# Altium PCB BoardB.PcbDoc (part 1 of 2) (continued)
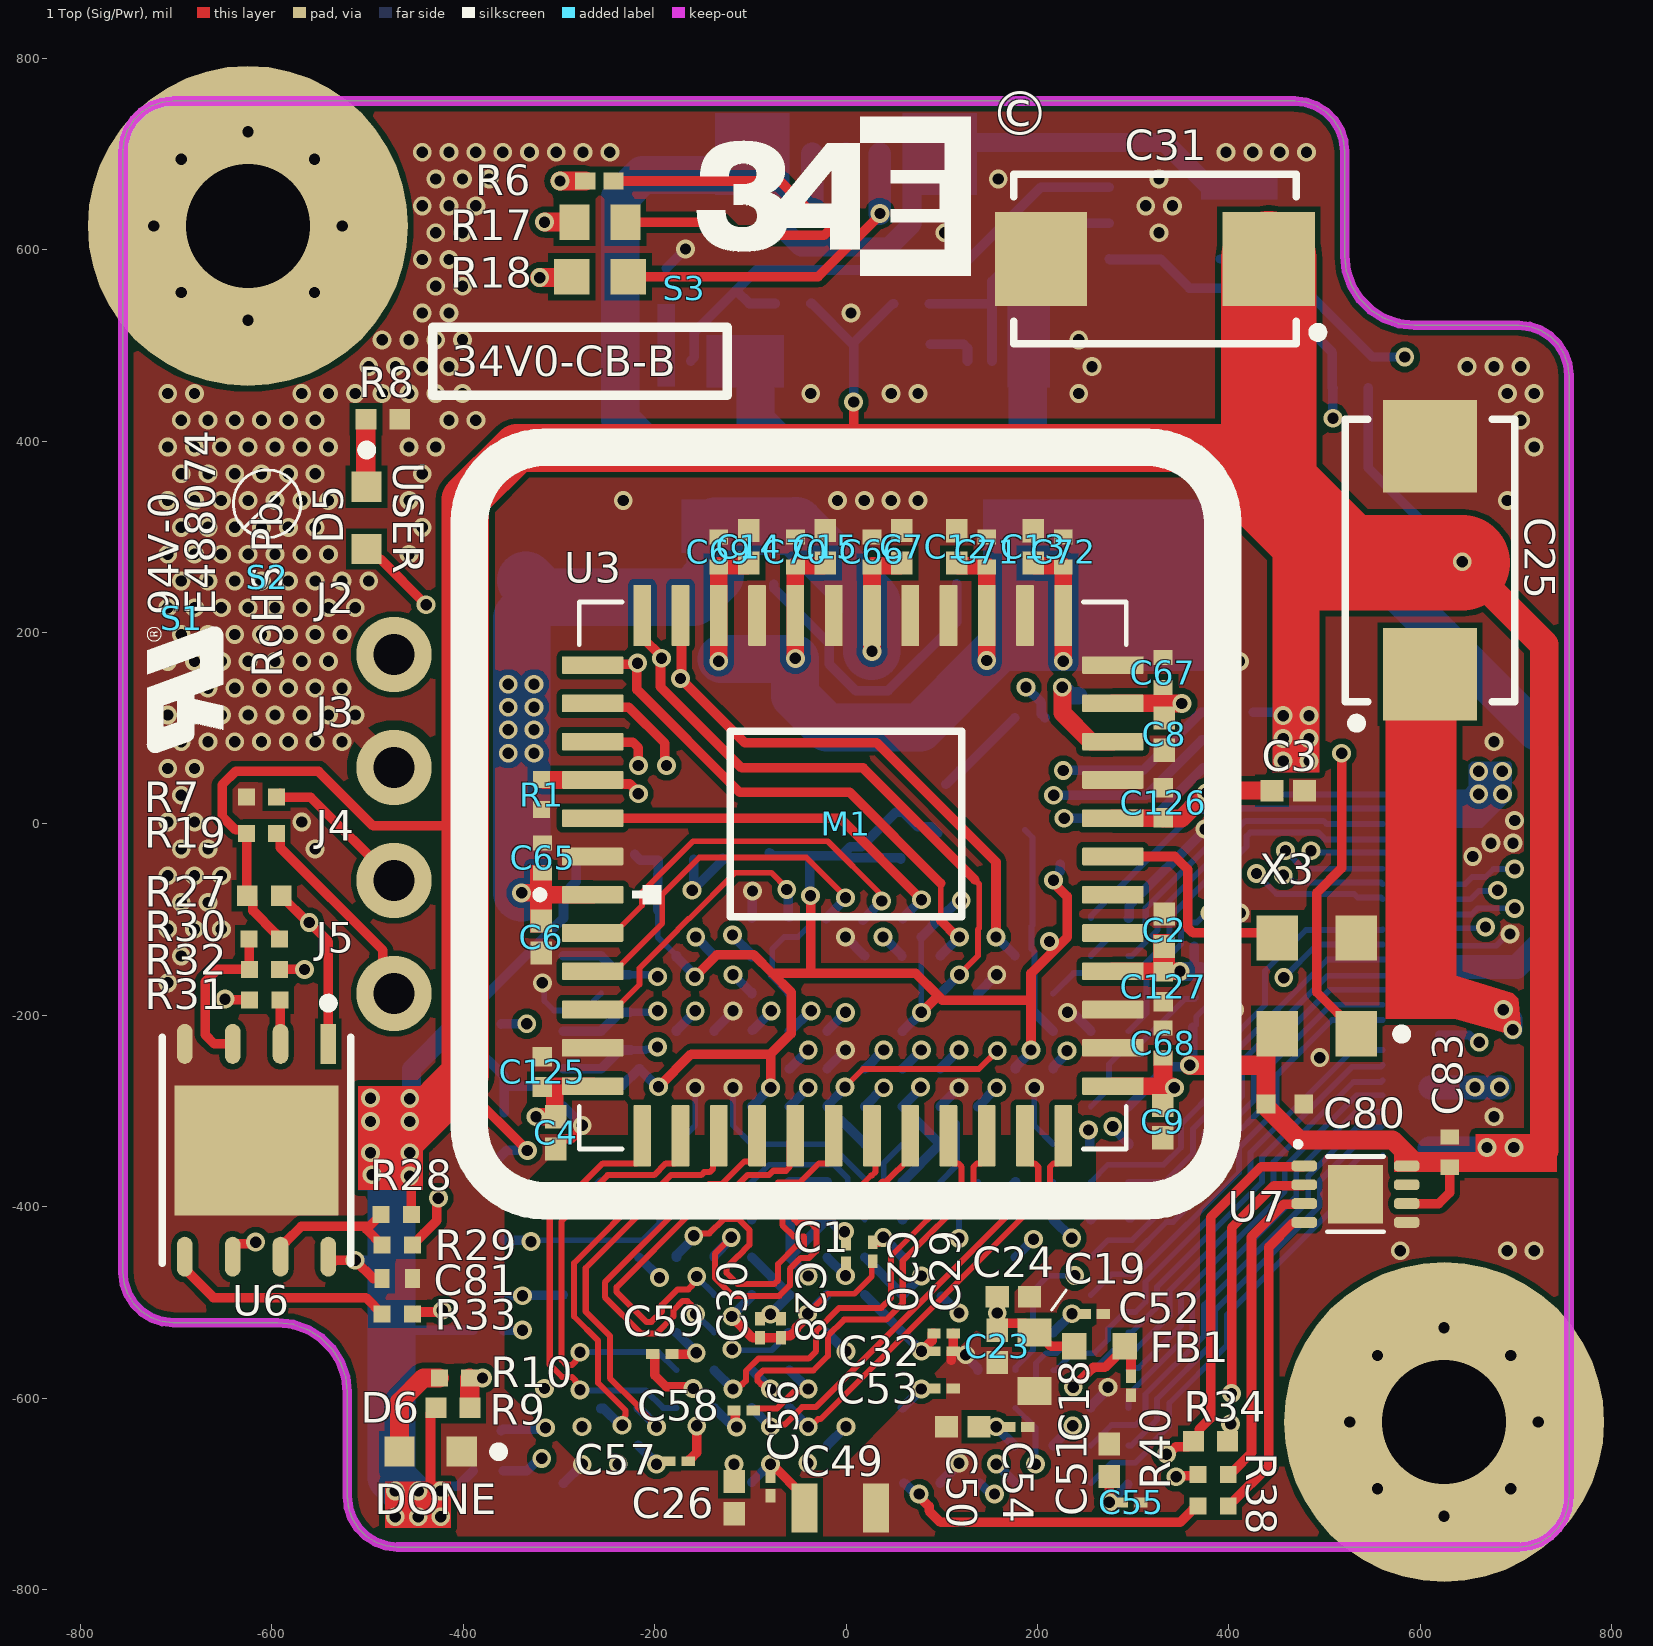
[diagram p0: 1 Top (Sig/Pwr) view]
## Part data (continued)
M1: library part LENS_MNT
R1 R7 R19: library part CMP-2000-07588-1, "Chip Resistor, 10 KOhm, +/- 1%, 0.1 W, -55 to 155 degC, 0402 (1005 Metric), RoHS, Tape and Reel", Case Code (Imperial)=0402, Case Code (Metric)=1005, Manufacturer=Panasonic, Max Operating Temperature=155degC, Max Power Dissipation=100mW, Min Operating Temperature=-55degC, Package Description="2-Pin Surface Mount Device, Body 1 x 0.5 mm", Package Quantity=1, Package Reference=402, Resistance=10KOhm, Temperature Coefficient=100ppm\/degreesC, Tolerance=1%, Voltage Rating=50V, Case\/Package=0402, Composition=ThickFilm, Contact Plating=Tin, Datasheet URL=https://industrial.panasonic.com/cdbs/www-data/pdf/RDA0000/AOA0000C304.pdf, Datasheet Version=02/2017, Depth=0.5mm, Height=0.35mm, Lead Free=LeadFree, Length=1mm, Manufacturer URL=http://www.panasonic.com/, Military Standard=Not, Mount=SurfaceMount, Mounting Technology=SurfaceMount, Number of Pins=2, Number of Terminations=2, Packaging=TapeandReel, Power Rating=100mW, Radiation Hardening=No, REACH SVHC=NoSVHC, RoHSCompliant=True, Termination=SMD/SMT, Voltage Rating (DC)=50V, Width=0.02inch
R2 R3 R4: library part CMP-2002-07343-1, Manufacturer="Yageo / Phycomp", Part Number=RC0402FR-07100KL
R5 R28 R30: library part CMP-2002-01128-1, Manufacturer=Panasonic, Part Number=ERJ2RKF1801X
R6: library part CMP-2004-03548-1, Manufacturer=Panasonic, Part Number=ERJ1GNF43R0C
R8 R9: library part CMP-1011-00510-4, "Chip Resistor, 1 KOhm, +/- 1%, 100 mW, -55 to 155 degC, 0402 (1005 Metric), RoHS, Tape and Reel", Case Code (Imperial)=0402, Case Code (Metric)=1005, Manufacturer="Basic Passives", Max Operating Temperature="155 degC", Min Operating Temperature="-55 degC", Package Quantity=10000, PartNumber=ERJ-2RKF1001X, Power Rating="100 mW", Resistance="1 KOhm", Tolerance=1%, Voltage Rating="50 V", Case\/Package=0402, ComponentLink1Description="Manufacturer URL", ComponentLink1URL=http://www.panasonic.com/, ComponentLink2Description=Datasheet, ComponentLink2URL=http://industrial.panasonic.com/cdbs/www-data/pdf/RDA0000/AOA0000C86.pdf, DatasheetVersion=04/2015, Height="0.35 mm", Length="1 mm", Mount="Surface Mount", Mounting Technology="Surface Mount", PackageDescription="2-Pin Surface Mount Device, Body 1 x 0.5 mm", PackageReference=0402, Packaging="Tape and Reel", Pins=2, Radiation Hardening=No, REACH SVHC=Yes, RoHSCompliant=true, Width="0.5 mm"
R10 R29 R31 R32 R33 R38 R40: library part CMP-2002-00605-3, "Chip Resistor, 100 Ohm, +/- 1%, 100 mW, -55 to 155 degC, 0402 (1005 Metric), RoHS, Tape and Reel", Case Code (Imperial)=0402, Case Code (Metric)=1005, Manufacturer="Basic Passives", Max Operating Temperature="155 degC", Min Operating Temperature="-55 degC", Package Quantity=10000, PartNumber=ERJ-2RKF1000X, Power Rating="100 mW", Resistance="100 Ohm", Tolerance=1%, Voltage Rating="50 V", Case\/Package=0402, ComponentLink1Description="Manufacturer URL", ComponentLink1URL=http://www.panasonic.com/, ComponentLink2Description=Datasheet, ComponentLink2URL=http://industrial.panasonic.com/cdbs/www-data/pdf/RDA0000/AOA0000C86.pdf, DatasheetVersion=04/2015, Height="0.35 mm", Length="1 mm", Mount="Surface Mount", Mounting Technology="Surface Mount", PackageDescription="2-Pin Surface Mount Device, Body 1 x 0.5 mm", PackageReference=0402, Packaging="Tape and Reel", Pins=2, Radiation Hardening=No, REACH SVHC=Yes, RoHSCompliant=true, Width="0.5 mm"
R11 R12 R13 R14 R15 R16 R27 R34: library part CMP-2002-01154-4, "Chip Resistor, 4.7 KOhm, +/- 1%, 0.1 W, -55 to 155 degC, 0402 (1005 Metric), RoHS, Tape and Reel", Case Code (Imperial)=0402, Case Code (Metric)=1005, Max Operating Temperature="155 degC", Min Operating Temperature="-55 degC", Package Quantity=1, PartNumber=ERJ-2RKF4701X, Power Rating="100 mW", Resistance="4.7 KOhm", Tolerance=1%, Voltage Rating="50 V", Case\/Package=0402, ComponentLink1Description="Manufacturer URL", ComponentLink1URL=http://www.panasonic.com/, ComponentLink2Description=Datasheet, ComponentLink2URL=http://industrial.panasonic.com/cdbs/www-data/pdf/RDA0000/AOA0000C86.pdf, DatasheetVersion=04/2015, Height="0.35 mm", Length="1 mm", Mount="Surface Mount", Mounting Technology="Surface Mount", PackageDescription="2-Pin Surface Mount Device, Body 1 x 0.5 mm", PackageReference=0402, Packaging="Cut Tape", Pins=2, Radiation Hardening=No, REACH SVHC=Yes, RoHSCompliant=true, Width="0.5 mm"
R17: library part CMP-2000-00547-1, Manufacturer=Panasonic, Part Number=ERJ3EKF51R0V
R18: library part CMP-2000-00529-2, "Chip Resistor, 47 Ohm, +/- 1%, 0.1 W, -55 to 155 degC, 0603 (1608 Metric), RoHS, Tape and Reel", Case Code (Imperial)=0603, Case Code (Metric)=1608, Max Operating Temperature="155 degC", Min Operating Temperature="-55 degC", Package Quantity=5000, Power Rating="100 mW", Resistance="6.8 kohm", Tolerance=1%, Voltage Rating="50 V", Case\Package=0603, ComponentLink1Description="Manufacturer URL", ComponentLink1URL=http://www.panasonic.com/, ComponentLink2Description=Datasheet, ComponentLink2URL=http://industrial.panasonic.com/cdbs/www-data/pdf/RDA0000/AOA0000C86.pdf, DatasheetVersion=Apr-15, Height="0.45 mm", Length="1.6 mm", Mount="Surface Mount", PackageDescription="2-Pin Surface Mount Device, Body 1.6 x 0.85 mm", PackageReference=0603, Packaging="Tape and Reel", Pins=2, REACH SVHC="No SVHC", RoHSCompliant=true, Voltage Rating (DC)="50 V", Width="0.8 mm"
R59: library part CMP-2002-01155-1, Manufacturer=Panasonic, Part Number=ERJ2RKF4702X
R76: library part CMP-1010-00416-2, Manufacturer=Panasonic, Part Number=ERJ1GNF1001C
S1: library part UL
S2: library part RoHS
S3: library part 34EngineeringLogo, "34 Engineering Silkscreen Logo"
U1: library part CMP-0383-00028-1, "Artix-7 FPGA, 170 User I/Os, 0 GTP, 256-Ball BGA, Speed Grade 1, Commercial Grade, Pb-Free", Manufacturer=Xilinx, Operating Temperature Range=Commercial, Available User I/O=170, CMTs=5, ComponentLink1Description="Manufacturer URL", ComponentLink1URL=http://www.xilinx.com/, ComponentLink2Description=Datasheet, ComponentLink2URL=http://www.xilinx.com/support/documentation/data_sheets/ds180_7Series_Overview.pdf, ComponentLink3Description=Pinout, ComponentLink3URL=http://www.xilinx.com/support/documentation/user_guides/ug475_7Series_Pkg_Pinout.pdf, ComponentLink4Description="Package Specification", ComponentLink4URL=http://www.xilinx.com/support/documentation/user_guides/ug475_7Series_Pkg_Pinout.pdf, DatasheetVersion="Rev. 1.15", GTP=0, Logic Cells=33280, Maximum Distributed RAM="400 Kb", Mounting Technology="Surface Mount", PackageDescription="256-Ball Wire-Bond Fine-Pitch Thin BGA, Body 17 x 17 mm, Pitch 1 mm", PackageReference=FTG-256, PackageVersion="Rev. 1.11", PartNumber=XC7A35T-1FTG256C, Speed Grades=1, Total Block RAM="1800 Kb"
U2 U4: "Linear Voltage Regulator, LDO, Ultra High Accuracy, Low Iq, 500 mA, V out : 3.3 V", Case/Package=MSOP, Dropout Voltage=340mV, Manufacturer="ON Semiconductor", Max Input Voltage=16V, Max Operating Temperature=150°C, Max Output Current=800mA, Min Input Voltage=2.6V, Min Operating Temperature=-40°C, Min Output Voltage=3.3V, Output Voltage Accuracy=0.9%, Package Quantity=4000, Reference Voltage=1.269V, Accuracy=0.9%, Category="Voltage Regulators - Linear", ComponentLink1Description=https://datasheet.ciiva.com/30476/0900766b8124f876-30476966.pdf?src-supplier=RSComponents, ComponentLink1URL=https://datasheet.ciiva.com/30476/0900766b8124f876-30476966.pdf?src-supplier=RSComponents, ComponentLink2Description=https://datasheet.ciiva.com/2061/ncp3335a-d-2061837.pdf?src-supplier=Digi-Key, ComponentLink2URL=https://datasheet.ciiva.com/2061/ncp3335a-d-2061837.pdf?src-supplier=Digi-Key, ComponentLink3Description=https://datasheet.ciiva.com/2061/ncp3335a-d-2061838.pdf?src-supplier=Digi-Key, ComponentLink3URL=https://datasheet.ciiva.com/2061/ncp3335a-d-2061838.pdf?src-supplier=Digi-Key, ComponentLink4Description=https://datasheet.ciiva.com/16390/ncp3335a-d-16390281.pdf?src-supplier=Future+Electronics, ComponentLink4URL=https://datasheet.ciiva.com/16390/ncp3335a-d-16390281.pdf?src-supplier=Future+Electronics, Halogen Free="Halogen Free", Height=0.95mm, Lead Free="Lead Free", Length=3.1mm, Manufacturer Part Number=NCP3335ADM330R2G, Mount="Surface Mount", Number of Outputs=1, Number of Pins=8, Number of Regulators=1, Output Current=800mA, Output Type=Fixed, Output Voltage=3.3V, Packaging="Tape and Reel", Polarity=Positive, Pricing 1="1=1.27050, 10=1.10060, 25=0.93500, 100=0.82150, 250=0.81330, 500=0.66300, 1000=0.61180, 3000=0.57730 (USD)", Radiation Hardening=No, RoHS=Yes, RoHS Compliant=Yes, Stock 1=3509, Supplier 1="Arrow Electronics", Supplier Part Number 1=NCP3335ADM330R2G, Width=3.1mm
U3: "IC IMAGE SENSOR 0.3MP 48LCC", Case/Package=LCC, Manufacturer="ON Semiconductor", Max Operating Temperature=85°C, Min Operating Temperature=-40°C, Operating Supply Voltage=3.4V, Category=Optoelectronics, ComponentLink1Description=http://www.onsemi.com/pub_link/Collateral/PB_NOIP1SN1300A-D.PDF?src-supplier=Digi-Key, ComponentLink1URL=http://www.onsemi.com/pub_link/Collateral/PB_NOIP1SN1300A-D.PDF?src-supplier=Digi-Key, ComponentLink2Description=http://www.onsemi.com/pub_link/Collateral/NOIP1SN1300A-D.PDF?src-supplier=Avnet+Asia, ComponentLink2URL=http://www.onsemi.com/pub_link/Collateral/NOIP1SN1300A-D.PDF?src-supplier=Avnet+Asia, Lead Free="Lead Free", Manufacturer Part Number=NOIP1FN0300A-QDI, Mount="Surface Mount", Number of Pins=48, Pricing 1="6=58.23675, 8=57.37875, 20=56.62800, 30=55.87725, 60=55.12650, 300=53.83950, 600=53.41050 (USD)", RoHS=Yes, RoHS Compliant=Yes, Supplier 1=Avnet, Supplier Part Number 1=NOIP1FN0300A-QDI
U5: library part CMP-0063-01011-4, "Power Sequencer, 6-pin SOT-23, Pb-Free, 1000 Reel", Manufacturer="Texas Instruments", PackageTopMarking=F21A*XTT, PowerWise=N, Code_IPC=SOT26A-6, Code_JEDEC=MO-178-AB, ComponentLink1Description="Datasheet URL", ComponentLink1URL=http://www.ti.com/general/docs/lit/getliterature.tsp?genericPartNumber=LM3880&fileType=pdf, CompType=MiscPower, High-Reliability=Y, PackageDescription="Molded SOT-23, .115 x .063 x .040in Body, 6 Lead, .0375in in Pitch", PackageReference=DBV0006A, PartNumber=LM3880MF-1AB/NOPB, PinCount=6, RoHS=Y
U6: library part CMP-78876-000010-1, "IC FLASH 16MBIT SPI/QUAD 8WSON", Frequency=133MHz, Max Operating Temperature=85°C, Min Operating Temperature=-40°C, Memory Size=16Mb, Memory Type=Non-Volatile, Mount="Surface Mount", Packaging=Rail/Tube
U7: "EEPROM Memory IC 1Kb (128 x 8, 64 x 16) SPI 4 MHz 8-UDFN-EP (2x3)", ComponentLink1Description=http://www.onsemi.com/pub_link/Collateral/CAT93C46B-D.PDF?src-supplier=Avnet, ComponentLink1URL=http://www.onsemi.com/pub_link/Collateral/CAT93C46B-D.PDF?src-supplier=Avnet, ComponentLink2Description=http://www.onsemi.com/pub/Collateral/CAT93C46B-D.PDF?src-supplier=Digi-Key, ComponentLink2URL=http://www.onsemi.com/pub/Collateral/CAT93C46B-D.PDF?src-supplier=Digi-Key, Supplier 1="Arrow Electronics", Supplier Part Number 1=CAT93C46BHU4I-GT3
X1: "Oscillator MEMS 100MHz ±20ppm (Stability) 15pF HCMOS/LVCMOS 55% 2.5V/2.8V/3V/3.3V Medical 4-Pin QFN SMD T/R", Case/Package=SMD/SMT, Frequency=100MHz, Frequency Stability=20ppm, Manufacturer=SiTime, Manufacturer Part Number=SIT8008AI-11-XXE-100.000000E, Max Operating Temperature=85°C, Max Supply Current=4.5mA, Min Operating Temperature=-40°C, Category=Oscillators, ComponentLink1Description=https://media.digikey.com/pdf/Data%20Sheets/SiTime%20PDFs/New_Rev_FAQ.pdf?src-supplier=Digi-Key, ComponentLink1URL=https://media.digikey.com/pdf/Data%20Sheets/SiTime%20PDFs/New_Rev_FAQ.pdf?src-supplier=Digi-Key, Mount="Surface Mount", Packaging="Tape and Reel", Pricing 1="1000=0.93600, 2000=0.91104, 4000=0.88608, 6000=0.86112, 8000=0.83616 (USD)", RoHS=Yes, RoHS Compliant=Yes, Supplier 1=Avnet, Supplier Part Number 1=SIT8008AI-11-XXE-100.000000E
X3: "Silicon Oscillator 72MHz 15pF ±10ppm 4-Pin QFN T/R", Case/Package=SMD/SMT, Frequency=72MHz, Frequency Stability=10ppm, Load Capacitance=15pF, Manufacturer=Abracon, Max Operating Temperature=105°C, Max Supply Current=16mA, Min Operating Temperature=-40°C, Operating Supply Voltage=3.6V, Supplier Part Number 1=815-ASFLMB-72-XY-T, Category=Oscillators, ComponentLink1Description=https://datasheet.ciiva.com/870/memspeedproflyerii-870042.pdf?src-supplier=Digi-Key, ComponentLink1URL=https://datasheet.ciiva.com/870/memspeedproflyerii-870042.pdf?src-supplier=Digi-Key, ComponentLink2Description=https://datasheet.ciiva.com/870/memspeedproflyerii-870043.pdf?src-supplier=Digi-Key, ComponentLink2URL=https://datasheet.ciiva.com/870/memspeedproflyerii-870043.pdf?src-supplier=Digi-Key, ComponentLink3Description=https://datasheet.ciiva.com/870/memspeedproflyerii-870044.pdf?src-supplier=Digi-Key, ComponentLink3URL=https://datasheet.ciiva.com/870/memspeedproflyerii-870044.pdf?src-supplier=Digi-Key, ComponentLink4Description=https://datasheet.ciiva.com/3178/asflmb-3178058.pdf?src-supplier=Avnet, ComponentLink4URL=https://datasheet.ciiva.com/3178/asflmb-3178058.pdf?src-supplier=Avnet, ComponentLink5Description=https://datasheet.ciiva.com/13163/asflmb-24525-13163049.pdf?src-supplier=Mouser, ComponentLink5URL=https://datasheet.ciiva.com/13163/asflmb-24525-13163049.pdf?src-supplier=Mouser, Height=0.035inch, Length=0.197inch, Manufacturer Part Number=ASFLMB-72.000MHZ-XY-T, Mount="Surface Mount", Number of Pins=4, Packaging="Tape and Reel", Pricing 1="1=3.61000, 10=3.45000, 50=3.27000, 100=2.93000, 500=2.76000, 1000=2.40000, 10000=2.40000 (USD)", Radiation Hardening=No, RoHS=Yes, Series="Pure Silicon™ ASFLMB", Stock 1=318, Supplier 1=Mouser, Termination=SMD/SMT, Width=0.126inch

## Via types
v1: diameter 19.68, hole 11.81, 1 Top (Sig/Pwr) to 6 Bottom (Sig/Pwr), tented both sides, 439 vias

## Nets (pads, with @x,y where several pads share a name; then routed paths per layer and width w, separated by ;. In a path a pad name is that pad's centre, name@x,y a point inside that pad or via, vN(x,y) a via of type N, cw(c..) or ccw(c..) an arc to the next point about the centre after c; other vN are vias at no path point)
1.8V_PG: J1.16 U5.3 | length 1049.4
  4 (GND/Sig) w9.6: v1(584,488) 726,346 726,-128 711.35,-142.65 683.65,-142.65 668.41,-127.41 v1(668.41,-107.65)
  6 Bottom (Sig/Pwr) w6: J1.16@620.08,-110.24 621.37,-108.94 667.11,-108.94 v1(668.41,-107.65)
  6 Bottom (Sig/Pwr) w9.6: U5.3@391.07,590.6 447.4,590.6 550,488 v1(584,488)
+1: C25.P C26.1 C27.1 C28.1 C29.1 C30.1 C32.1 J1.11 U1.E10 U1.F7 U1.F9 U1.F11 U1.G6 U1.H9 U1.J6 U1.K9 U1.L8 | length 3400
  1 Top (Sig/Pwr) w6: v1(-1,-275) 17.84,-256.16 138.84,-256.16 v1(158,-237)
  1 Top (Sig/Pwr) w10: v1(79,-551) 90.05,-539.95 90.05,-532.46 90.22,-532.29 C29.1@92.02,-532.29
  1 Top (Sig/Pwr) w50: C25.P@595,141.26 C25.P@610.24,156.5
  3 (Sig/Pwr) w10: v1(-329.22,-436.45) -331.84,-436.45 -347.83,-452.45 -348.04,-452.45 -359,-463.41 -359,-651.48 -314.48,-696 -117,-696 ; v1(-117,-669) -135.16,-650.84 -135.16,-637.63 -135.16,-620.37 -138.95,-616.57 -138.95,-598.63 -138.95,-581.92 -126.74,-569.71 -110.37,-569.71 -78.96,-538.3 v1(-78.96,-512.39)
  3 (Sig/Pwr) w20: v1(-117,-669) -117,-696 -28,-696 40,-628 40,-589.87 v1@78.87,-551
  4 (GND/Sig) w6: v1(158,-237) 177.75,-256.75 210.75,-256.75 228,-274
  4 (GND/Sig) w10: v1(79,-551) v1@79,-550.5 ; v1@118,-511.5 v1(118,-511) 157,-472 157,-443.52 188.52,-412 295,-412 311,-396 311,-295.02 289.98,-274 228,-274
  4 (GND/Sig) w20: v1@79,-550.5 v1@118,-511.5 ; v1(118,-511) 159,-552 294.98,-552 613,-233.98 613,-205.72 624.72,-194 v1(687,-194) 696.86,-203.86 v1(696.86,-215)
  6 Bottom (Sig/Pwr) w6: v1(-329.22,-436.45) -327.66,-434.9 -212.79,-434.9 -195.02,-417.13 -195.02,-405.99 -180.91,-391.87 -116.28,-391.87 U1.J6@-98.43,-374.02 -80.57,-356.16 -12.29,-356.16 1.83,-370.27 1.83,-395.53 U1.H9@19.68,-413.39
  6 Bottom (Sig/Pwr) w9: J1.11@620.08,-188.98 v1@679.08,-188.98
  6 Bottom (Sig/Pwr) w10: C27.1@-357.13,-434 -355.9,-435.23 -330.44,-435.23 v1(-329.22,-436.45) ; U1.G6@-98.43,-452.76 U1.F7@-59.06,-492.13 -59.06,-492.31 -78.96,-512.21 v1(-78.96,-512.39) ; v1@-1,-275.8 -19.69,-294.48 U1.L8@-19.69,-295.28 U1.K9@19.68,-334.65 ; U1.F9@19.68,-492.13 U1.E10@59.06,-531.5 59.28,-531.5 78.78,-551 v1(79,-551) ; U1.F11@99.83,-493.74 100.39,-493.74 117.65,-511 v1(118,-511)
  6 Bottom (Sig/Pwr) w20: v1(687,-194) 696.86,-203.86 v1(696.86,-215)
+1.8: C2.1 C3.1 C4.1 C5.1 C19.1 C20.1 C21.1 C22.1 C23.1 C24.1 C63.1 C125.1 C126.1 C127.1 FB1.2 J1.5 J1.6 U1.G10 U1.J10 U1.K11 U1.L10 U3.6 U3.22 U3.26 | length 3107.1
  1 Top (Sig/Pwr) w9.84: C126.1@331.05,1.39 335.33,5.67 C126.1@337.4,7.73
  1 Top (Sig/Pwr) w10: C20.1@28,-436.98 34.02,-436.98 v1(39,-432) ; C23.1@158,-529 158,-528.16 164.27,-521.89 170.09,-521.89 170.13,-521.85 187.36,-521.85 C19.1@197,-531.49 199.95,-531.49 214.45,-545.98 FB1.2@238.43,-545.98
  1 Top (Sig/Pwr) w18.5: v1(-324,-306) C4.1@-303.17,-305.98 ; C4.1@-303.15,-305.96 -304.5,-304.61 -304.5,-273.95 -292.38,-273.95 U3.6@-264.76,-273.94 ; U3.22@278.94,-153.94 348.94,-153.94 v1(349,-154) ; U3.26@278.94,6.06 C126.1@330.61,6.06 ; C126.1@335.33,5.67 350.67,5.67 361.13,16.13 361.13,16.71 376.84,32.42 v1(376.84,32.74) ; v1@377,32 377.32,32 380.32,35 C3.1@445.29,35
  3 (Sig/Pwr) w6: v1(-160.82,-69.18) -157.18,-69.18 -137.67,-49.67 -1.1,-49.67 18.42,-69.2 18.42,-241.91 31.57,-255.06 58.06,-255.06 v1(78,-275)
  3 (Sig/Pwr) w20: v1(-324,-306) -301,-283 -247,-283 -205,-325 78,-325 ; v1(39,-432) 79,-432 ; v1(78,-275) 78,-325 ; v1(158,-511) 79,-432 ; v1(376.84,32.74) 376.74,32.64 376.58,32.64 349,5.06 v1(349,-154) 408,-154 460.38,-206.38 460.38,-256.32 508.29,-304.24 ; v1(657.48,-275.14) 657.48,-278.52 657,-279 653.62,-279 628.38,-304.24 508.29,-304.24 ; 78,-325 117,-325 ; 79,-432 117,-394 117,-325 ; 117,-325 222,-325 262,-365 447.53,-365 508.29,-304.24
  6 Bottom (Sig/Pwr) w10: v1(-160.82,-69.18) -159.17,-67.52 -159.17,-37.17 C22.1@-159,-37 ; v1@-159,-71 -157.15,-69.15 -157.15,-66.12 -128.81,-37.78 C21.1@-128.81,-35.98 ; v1(39,-432) 39,-432.35 59.06,-452.41 U1.G10@59.06,-452.76 ; U1.J10@59.06,-374.02 U1.K11@98.43,-334.65 U1.L10@59.06,-295.28 v1@78.74,-275.59 ; C63.1@363.97,-127.83 364.04,-127.91 364.04,-148.73 369.31,-154 370.31,-155 C5.1@371.13,-155
  6 Bottom (Sig/Pwr) w20: v1(349,-154) 369.31,-154 370.13,-154 C5.1@371.13,-155
  6 Bottom (Sig/Pwr) w25: 611,-275.58 682.58,-275.58 v1(683.16,-275.01)
+2.5: C49.1 C56.1 C57.1 C58.1 C59.1 C60.1 C61.1 J1.9 U1.A6 U1.B3 U1.D7 U1.E4 U1.F1 U1.J2 | length 2544.6
  1 Top (Sig/Pwr) w6.3: C58.1@-97,-613 -94.98,-610.98 -86.66,-610.98 -86.61,-610.93 -72.25,-610.93 -54.44,-593.11 -49.75,-593.11 -41.93,-593.11 v1(-39.37,-590.55)
  1 Top (Sig/Pwr) w10: C59.1@-181.86,-554 -158.65,-554 v1@-157.61,-555.03 ; v1(-79,-669) -77.59,-669 -43.4,-703.19 C49.1@-43.4,-715
  3 (Sig/Pwr) w10: v1(-338,-493) -320.09,-475.09 -307.75,-475.09 ; v1(-324.41,-390.18) -324.14,-390.18 -307.75,-406.56 -307.75,-475.09 ; v1(-198,-669) -177.16,-648.16 -177.16,-621.37 -180.64,-617.89 -180.64,-581.37 -156.43,-557.16 v1(-156.43,-552.72) -234.06,-475.09 -307.75,-475.09
  4 (GND/Sig) w10: v1(-198,-669) -177.16,-689.84 -99.84,-689.84 v1(-79,-669) -13.37,-734.63 35,-734.63 ; v1(-39.37,-590.55) 5.55,-590.55 35,-620 35,-734.63 ; 316,-734.63 35,-734.63
  4 (GND/Sig) w20: 316,-734.63 389.37,-734.63 431,-693 431,-544 563,-412 701,-412 732,-381 732,-260.87 720.28,-249.16 682.76,-249.16 v1(661.76,-228.16)
  6 Bottom (Sig/Pwr) w6: v1(-324.41,-390.18) -305.39,-390.18 -302.57,-393 -274.89,-393
  6 Bottom (Sig/Pwr) w9: J1.9@620.08,-220.47 651.47,-220.47 659.16,-228.16 v1(661.76,-228.16)
  6 Bottom (Sig/Pwr) w10: C60.1@-357.13,-493 v1(-338,-493) -337.56,-492.56 -295.83,-492.56 U1.F1@-295.28,-492.13 ; C61.1@-356.13,-393 -354.72,-391.59 -325.82,-391.59 v1(-324.41,-390.18) ; -274.89,-393 U1.J2@-255.91,-374.02 ; U1.B3@-216.91,-649.48 v1@-198,-668.39 ; U1.E4@-177.17,-531.5 -177.17,-531.74 -156.43,-552.48 v1(-156.43,-552.72) ; U1.A6@-98.52,-687.91 v1@-79.61,-669 ; U1.D7@-59.06,-570.87 v1(-39.37,-590.55)
+3.3: C17.2 C31.P C33.1 C36.1 C37.1 C38.1 C39.1 C40.1 C41.1 C42.1 C43.1 C44.1 C45.1 C46.1 C47.1 C50.1 C51.1 C52.1 C53.1 C54.1 C55.1 C80.1 C81.2 C83.1 J1.1 J1.2 R2.2 R3.2 R4.2 R5.2 R9.1 R11.2 R12.2 R13.2 R14.1 R19.1 R27.2 R28.2 R30.2 R34.2 R76.2 U1.A16 U1.B13 U1.C10 U1.E14 U1.H15 U1.J12 U1.L6 U1.L16 U1.M3 U1.M13 U1.N10 U1.P7 U1.R4 U1.R14 U1.T1 U1.T11 U6.8 U7.6 U7.8 X1.4 X3.4 | length 10742.8
  1 Top (Sig/Pwr) w10: R27.2@-626.23,-74.48 -626.23,-10.52 -630.61,-6.14 -637.98,-6.14 -652,7.88 -652,41 -638,55 -551.15,55 -494.15,-2 -398,-2 ; R27.2@-625.72,-75 -619.89,-80.83 -619.89,-90.59 -596.11,-114.36 -596.11,-116.14 R30.2@-592.25,-120 ; U6.8@-534.48,-456.73 -533.75,-456 v1(-513,-456) -494,-475 ; R28.2@-454.25,-408 v1@-454.25,-318.25 ; -447.5,-711.5 -434.23,-698.23 -434.23,-615.8 R9.1@-428.43,-610 ; -401.28,-193.28 -398,-190 ; -398,-262 -398,-276.16 v1(-333,-341.16) ; v1(-196,-274.68) -161.88,-240.56 -78.74,-240.56 ; v1(-158,-159.68) -135.06,-136.75 -96.31,-136.75 -77.05,-156 ; v1(-78.74,-275.59) -78.74,-240.56 ; v1(-37,-75) -37,-156 ; v1(8,441) 8,394 9,393 ; v1(78.74,-196.85) 94.9,-180.69 94.9,-178.1 ; v1(193.32,-236.22) 193.32,-184 ; v1(216.84,-58.84) 216.84,-61.46 231.01,-75.63 231.01,-118.44 193.32,-156.13 193.32,-184 ; v1(275,-709) C51.1@275,-681.87 ; U7.6@586,-396.68 619.46,-396.68 631,-385.14 C83.1@631,-358.75 ; U7.8@586,-357.31 586.34,-357.66 C83.1@629.66,-357.66 ; -78.74,-240.56 -57.27,-219.09 -57.27,-175.79 -77.05,-156 ; -77.05,-156 -37,-156 ; -37,-156 72.8,-156 94.9,-178.1 ; 94.9,-178.1 100.8,-184 193.32,-184
  1 Top (Sig/Pwr) w20: v1(359.16,-252.06) 430,-252.06 ; X3.4@450.79,-219.29 439.13,-230.94 439.13,-244.5 439,-244.63 439,-295.62 473.45,-330.07 571.07,-330.07 592,-351
  1 Top (Sig/Pwr) w25: v1(698,-338) 701.32,-341.32 v1@701.32,-343.76
  1 Top (Sig/Pwr) w30: v1@644,273 729.62,187.38 729.62,-341
  1 Top (Sig/Pwr) w50: -467,-331 v1@-454.25,-318.25 ; v1(-456,-311) -451.5,-315.5 -398,-262 -398,-190 -398,-2 -398,339 -344,393 9,393 441.93,393
  1 Top (Sig/Pwr) w100: C31.P@441.93,590.55 441.93,353.07 522,273 v1@644,273
  3 (Sig/Pwr) w10: v1(-333,-341.16) -334.8,-341.16 -355,-320.95 -355,-274 -335.75,-254.75 -99.58,-254.75 v1(-78.74,-275.59) ; v1(118.11,-433.07) 151.39,-433.07 173.3,-411.16 258.84,-411.16 277.49,-392.51 v1(277.49,-391.16) ; v1(236.22,-511.81) 260.83,-487.21 260.83,-409.17
  3 (Sig/Pwr) w20: v1(-456,-311) -456,-293 -452,-289 -360,-289 ; -412.87,-726 139.45,-726 ; v1(78.74,-590.55) 118.19,-630 ; v1(157,-630) 118.19,-630 ; v1(402,-627) 402,-661.78 354.78,-709 v1(275,-709) 258,-726 139.45,-726 ; 118.19,-630 92.16,-656.03 92.16,-678.7 139.45,-726
  4 (GND/Sig) w10: v1(188.08,142.84) 302.34,28.58 304.26,28.58 ; v1@451,121 456,116 v1@457,116
  4 (GND/Sig) w20: v1(216.84,-58.84) 304.26,28.58 391.69,116 v1@456,116 ; v1(402,-627) 388.83,-627 377.12,-615.28 377.12,-555 594.12,-338 v1(670,-338)
  6 Bottom (Sig/Pwr) w6: -310,-274 -234.63,-274 ; -196.68,-89.85 -196.68,-118.28 U1.R4@-177.17,-137.8 ; -77.05,-156 -77.05,-130.54 -64.63,-118.11 -50.11,-118.11 -37.54,-105.54 -37.54,-75.54 v1(-37,-75) ; v1(78.74,-196.85) 78.74,-118.11 ; C41.1@362.27,-212.2 363.98,-212.2 366.16,-210.03 366.16,-201.24 379.81,-187.59 379.81,-183.13 381.73,-181.21 R76.2@383.5,-181.21
  6 Bottom (Sig/Pwr) w6.3: v1(118.11,-433.07) 118.11,-393.7 U1.J12@137.8,-374.02
  6 Bottom (Sig/Pwr) w10: v1(-513,-456) -476,-456 ; -464,-529 R13.2@-389.5,-529 ; v1(-423.56,-697) -418.56,-692 -412.15,-692 -405.74,-692 R11.2@-389.75,-676 ; C33.1@-361.49,-348 -354.65,-341.16 v1(-333,-341.16) ; C47.1@-356.97,-301.62 -356.97,-274.17 C42.1@-356.8,-274 ; -310,-274 C42.1@-356.8,-274 ; C46.1@-258,-30.87 -264.18,-37.05 -281.83,-37.05 -282,-37.23 C44.1@-282,-39.02 -282,-60.22 -295.28,-73.5 U1.T1@-295.28,-98.43 -391.75,-194.9 R12.2@-391.75,-209 -391.75,-229.25 -356.97,-264.03 -356.97,-273.83 C42.1@-356.8,-274 ; -234.63,-274 U1.M3@-216.54,-255.91 -215.66,-255.91 -196.88,-274.68 v1(-196,-274.68) ; C45.1@-221,-31.87 -214.82,-38.05 C43.1@-196.17,-38.05 ; -196.68,-89.85 -196.68,-52.51 -196.17,-52 C43.1@-196.17,-40.01 ; U1.R4@-177.17,-137.8 -177.17,-139.16 -158,-158.32 v1(-158,-159.68) ; U1.L6@-98.43,-295.28 v1(-78.74,-275.59) ; C37.1@-80,-29.87 -76.83,-33.04 -38.17,-33.04 C38.1@-38,-33.21 ; -77.05,-156 -77.05,-157.58 -59.06,-175.58 U1.P7@-59.06,-177.17 ; v1(-37,-75) -38,-74 C38.1@-38,-33.21 ; R2.2@-36.61,544.02 -35.63,544.02 8,500.39 ; v1(8,441) 8,500.39 ; R3.2@49.8,543.82 48.82,543.82 8,503 8,500.39 ; C39.1@57,-37.02 57,-35.23 56.83,-35.05 3.61,-35.05 C36.1@-1.57,-29.87 ; U1.C10@59.06,-610.24 v1(78.74,-590.55) ; U1.N10@59.06,-216.54 v1(78.74,-196.85) ; 78.74,-118.11 U1.T11@98.43,-98.43 98.98,-98.43 117.56,-79.84 v1@118.11,-79.84 ; X1.4@95.99,-9.37 89.65,-3.03 75.27,-3.03 60.08,12.16 C17.2@56,12.16 51.92,12.16 16.17,-23.6 4.69,-23.6 C36.1@-1.57,-29.87 ; v1@118.39,-80.12 v1(120.52,-80.12) ; v1@157,-630.61 U1.B13@175.91,-649.52 ; U1.M13@177.17,-255.91 177.17,-254.14 193.32,-237.98 v1(193.32,-236.22) ; v1(188.08,142.84) 204.14,126.78 204.14,114.86 R5.2@208,111 ; U1.E14@216.54,-531.5 v1(236.22,-511.81) ; 223.62,-49.44 223.62,-47.46 223.83,-47.26 223.83,-43.98 224,-43.81 C40.1@224,-42.01 ; U1.H15@255.91,-413.39 255.91,-413.06 277.49,-391.48 v1(277.49,-391.16) ; v1@275.61,-709 U1.A16@294.52,-690.09 ; U1.L16@295.28,-295.28 316.16,-274.39 316.16,-273.18 335.43,-253.92 357.31,-253.92 v1(359.16,-252.06) 359.16,-249.44 362.27,-246.34 C41.1@362.27,-212.2 ; R14.1@425.75,117 447,117 ; R4.2@545.7,456 545.7,372.3 v1@638,280 ; C38.1@-38,-33.21 -37.83,-33.04 -3.91,-33.04 C36.1@-1.57,-30.71 C36.1@-1.57,-29.87
  6 Bottom (Sig/Pwr) w20: -476,-456 -475,-455 ; v1(-456,-287) -454,-285 -454,-256 -407,-209 R12.2@-391.75,-209
  6 Bottom (Sig/Pwr) w25: 610,-338.88 669.12,-338.88 v1(670,-338) ; v1@670.59,-338.59 697.41,-338.59 v1(698,-338)
  6 Bottom (Sig/Pwr) w50: -475,-382 -475,-455 -475,-683 -454,-704
  other v1: -471,-724 -447,-724 -423.56,-724 -471,-697 -447,-697 -456,-368 -495.44,-366.59 -496.85,-343.53 -456,-343.53 -496.85,-311 -496.85,-286.53 212.7,-122.83 456.89,65.84 483.89,65.84 456.89,89.28 483.89,89.28 456.89,113.28 483.89,113.28 644,274
+5: C73.1 C75.1 C77.1 D1.1 D1.2 D1.6 D1.7 J1.13 J1.14 U2.7 U2.8 U4.7 U4.8 U5.1 | length 2632.3
  6 Bottom (Sig/Pwr) w20: -117.03,678.38 -79.95,678.38 -69.06,667.49 -69.06,625.06 -47,603 45,603 69,627 69,667.36 D1.6@69.64,668 ; D1.7@116.14,712.2 333.44,712.2 380.24,665.4 U5.1@391.07,665.4
  6 Bottom (Sig/Pwr) w25: 611.07,-149.5 700.84,-149.5 732.12,-118.22 732.12,78.88 721.5,89.5
  6 Bottom (Sig/Pwr) w40: D1.1@-116.14,712.2 -116.14,679.27 -117.03,678.38 -212.57,678.38 -236,654.95 -236,423 -211,398 -71,398 ; U2.8@-111.22,483.89 -92.89,483.89 ; U2.8@-105.5,483.5 -102.07,483.5 -94.57,476 -94.57,421.57 -71,398 ; 190,487 190,403 185,398 ; 721.5,97 420.5,398 185,398 ; -71,398 185,398
+12_CAB: J1.23 J1.24 J1.25 J2.1 | length 1253.4
  3 (Sig/Pwr) w50: J2.1@-472.44,177.17 -466.94,182.66 -419.34,182.66 -332,270 409,270 637.1,41.9 648.07,41.9
  other v1: 661.28,31.22 686,31.22 661.28,55 686,55